# Altium PCB pcb-ash-power.PcbDoc (part 2 of 6) (continued)
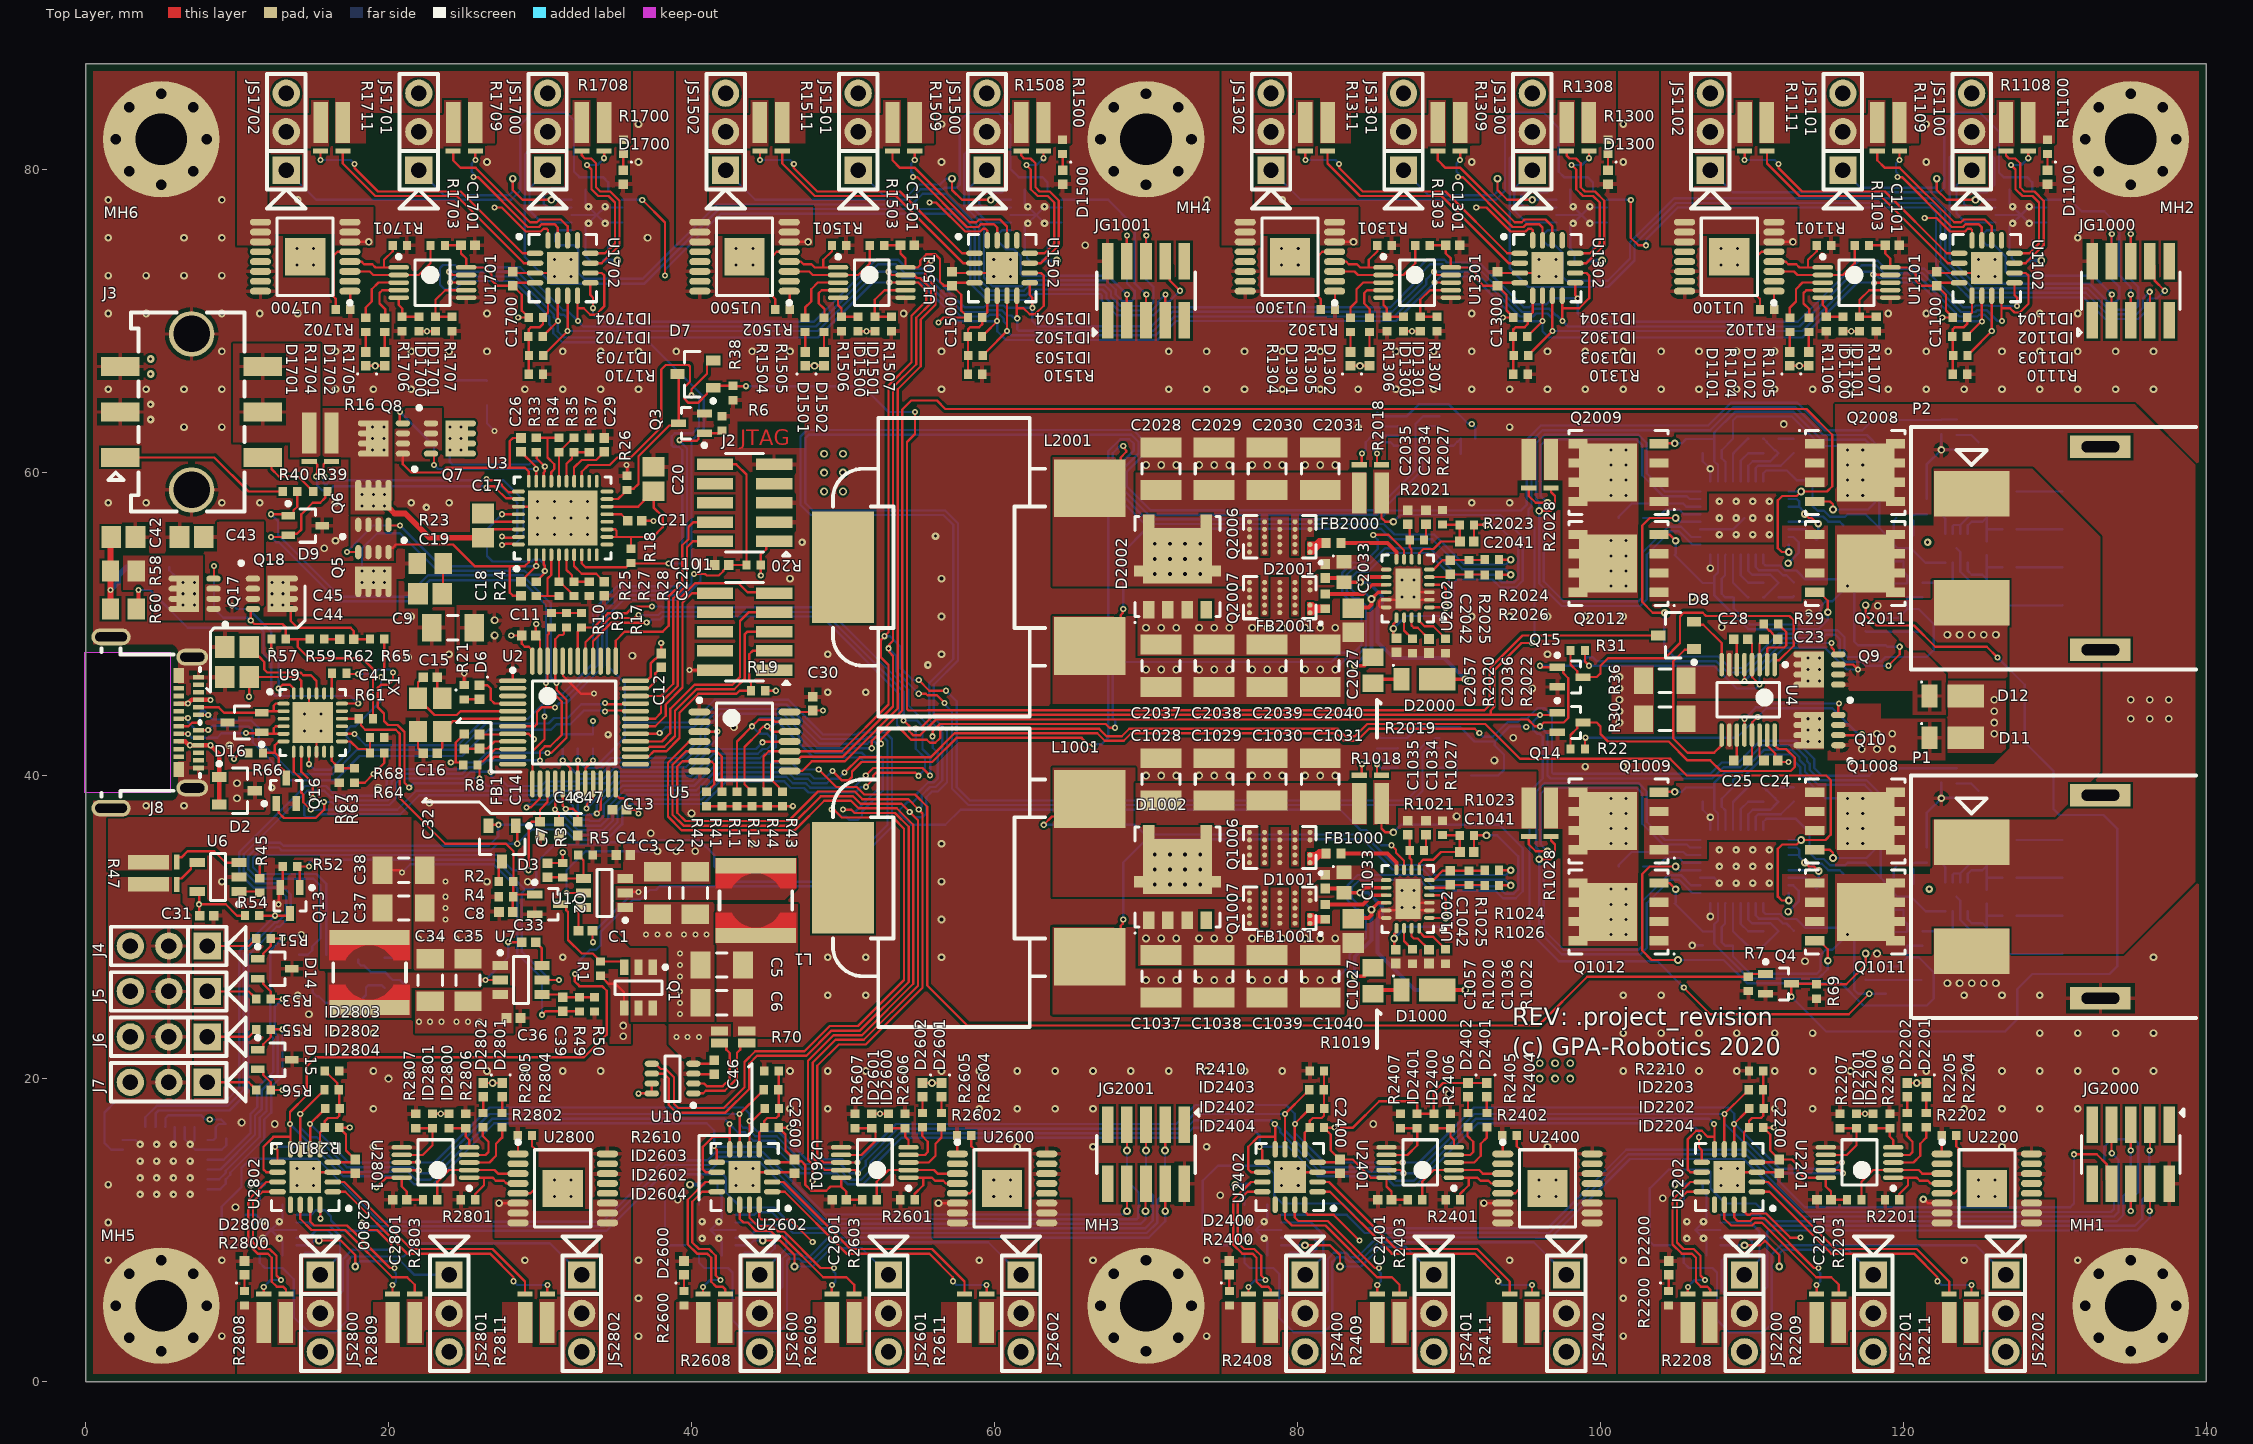
[diagram p0: Top Layer view]
## Footprints (in the part's own frame and the unit in brackets; to place one, negate y for a bottom-side part, rotate by r counter-clockwise, add the part's x,y. Pads: shape width x height; smd on the part's side, far side on the other; paste and mask are expansions set on the pad) (continued)
QFN65P400X400X100_HS-17N_INA3221 [mm] "QFN, 16-Leads, Body 4.00x4.00mm, Pitch 0.65mm, Thermal Pad 2.10x2.10mm, IPC Medium Density"
  oval 1.1x0.35 smd: 1(-1.825,0.975) 2(-1.825,0.325) 3(-1.825,-0.325) 4(-1.825,-0.975) 9(1.825,-0.975) 10(1.825,-0.325) 11(1.825,0.325) 12(1.825,0.975)
  oval 0.35x1.1 smd: 5(-0.975,-1.825) 6(-0.325,-1.825) 7(0.325,-1.825) 8(0.975,-1.825) 13(0.975,1.825) 14(0.325,1.825) 15(-0.325,1.825) 16(-0.975,1.825)
  rect 2.1x2.1 smd: 17(0,0)
  silkscreen extent -3,-2.22 2.22,2.22, body extent -2.12,-2.12 2.12,2.12, height 1
QFN65P600X600X100_HS-29N_PCA9685BS [mm] "QFN, 28-Leads, Body 6.00x6.00mm, Pitch 0.65mm, Thermal Pad 4.10x4.10mm, IPC Medium Density"
  oval 1.1x0.3 smd: 1(-2.8,1.95) 2(-2.8,1.3) 3(-2.8,0.65) 4(-2.8,0) 5(-2.8,-0.65) 6(-2.8,-1.3) 7(-2.8,-1.95) 15(2.8,-1.95) 16(2.8,-1.3) 17(2.8,-0.65) 18(2.8,0) 19(2.8,0.65) 20(2.8,1.3) 21(2.8,1.95)
  oval 0.3x1.1 smd: 8(-1.95,-2.8) 9(-1.3,-2.8) 10(-0.65,-2.8) 11(0,-2.8) 12(0.65,-2.8) 13(1.3,-2.8) 14(1.95,-2.8) 22(1.95,2.8) 23(1.3,2.8) 24(0.65,2.8) 25(0,2.8) 26(-0.65,2.8) 27(-1.3,2.8) 28(-1.95,2.8)
  rect 4.1x4.1 smd: 29(0,0)
  silkscreen extent -3.98,-3.2 3.2,3.2, body extent -3.05,-3.05 3.05,3.05, height 1
RESC1005X04N [mm] "Chip Resistor, 2-Leads, Body 1.05x0.54mm, IPC Medium Density"
  rect 0.55x0.6 smd: 1(-0.475,0) 2(0.475,0)
  body extent -0.55,-0.3 0.55,0.3, height 0.4
RESC2012X06N [mm] "Chip Resistor, 2-Leads, Body 2.00x1.25mm, IPC Medium Density"
  rect 1.15x1.4 smd: 1(-0.85,0) 2(0.85,0)
  body extent -1.07,-0.7 1.07,0.7, height 0.65
RESC2012X06N_4T [mm] "Chip Resistor, 2-Leads, Body 2.00x1.25mm, IPC Medium Density"
  rect 1.15x0.6 smd: 1(-0.9,0.4) 2(0.9,0.4) 3(-0.9,-0.4) 4(0.9,-0.4)
  body extent -1.07,-0.7 1.07,0.7, height 0.65
RESC3216X07N [mm] "Chip Resistor, 2-Leads, Body 3.20x1.60mm, IPC Medium Density"
  rect 1.25x1.75 smd: 1(-1.4,0) 2(1.4,0)
  silkscreen extent -0.4,-0.77 0.4,0.77, body extent -1.68,-0.87 1.68,0.87, height 0.71
S4B-XH-SM4-TB [mm]
  rect 1.3x4.5 smd: 1(-3.75,0) 2(-1.25,0) 3(1.25,0) 4(3.75,0)
  rect 1.8x3.9 smd: TAB(-6.95,-6.8) TAB(6.95,-6.8)
  silkscreen extent -7.5,-8.5 7.5,1.25, body extent -7.48,-8.5 7.47,1.5, height 6
SER20xx [mm]
  rect 3.81x4.7 smd: 1(-5.205,-8.96) 2(5.205,-8.96)
  rect 7.37x4.06 smd: 3(0,7.33)
  silkscreen extent -9.84,-6 9.85,8, body extent -9.84,-10.46 9.85,8.24, height 10.42
SODFL370X100-2N_DFLS2100 [mm] "SODFL, 2-Leads, Body 1.78x3.70mm, IPC Medium Density"
  rect 1.05x1.5 smd: A(-1.525,0)
  rect 2.4x1.5 smd: C(0.85,0)
  silkscreen extent -2.1,0.88 -2,0.97, body extent -1.85,-0.96 1.85,0.96, height 1
SON50P200X80_HS-9N-BQ2960XX#1 [mm] "SON, 8-Leads, Body 2.00x2.00mm, Pitch 0.50mm, Thermal Pad 1.60x0.69mm, IPC Medium Density"
  rect 0.5x0.25 smd: 1(-0.95,0.75) 2(-0.95,0.25) 3(-0.95,-0.25) 4(-0.95,-0.75) 5(0.95,-0.75) 6(0.95,-0.25) 7(0.95,0.25) 8(0.95,0.75)
  rect 0.9x1.6 smd paste-5: 9(0,0)
  silkscreen extent -1.5,-1.2 1.05,1.25, body extent -1.05,-1.05 1.05,1.05, height 0.8
SON50P200X80_HS-9N-BQ2960XX#2 [mm] "SON, 8-Leads, Body 2.00x2.00mm, Pitch 0.50mm, Thermal Pad 1.60x0.69mm, IPC Medium Density"
  rect 0.5x0.25 smd: 1(-0.95,0.75) 2(-0.95,0.25) 3(-0.95,-0.25) 4(-0.95,-0.75) 5(0.95,-0.75) 6(0.95,-0.25) 7(0.95,0.25) 8(0.95,0.75)
  rect 0.9x1.6 smd: 9(0,0)
  silkscreen extent -1.5,-1.2 1.05,1.25, body extent -1.05,-1.05 1.05,1.05, height 0.8
SON127P620X110_HS-9N_NTS12100 [mm] "SON, 8-Leads, Body 5.15x6.15mm, Pitch 1.27mm, Thermal Pad 3.98x1.50mm, IPC Medium Density"
  rect 1.15x0.75 smd: 1(-2.86,1.905) 2(-2.86,0.635) 3(-2.86,-0.635) 4(-2.86,-1.905) 5(2.86,1.905) 6(2.86,-1.905)
  rect 0.75x1.15 smd: 7(-0.3,2.3) 7(-0.3,-2.3)
  rect 3.65x4.56 smd: 7(0.7,0)
  silkscreen extent -3.75,-2.8 3.3,2.85, body extent -3.15,-2.65 3.15,2.65, height 1.1
SON127P620X112_HS-9N_POWERPAK_SO8 [mm] "SON, 8-Leads, Body 5.15x6.15mm, Pitch 1.27mm, Thermal Pad 3.98x1.50mm, IPC Medium Density"
  rect 1.27x0.61 smd: 1(-2.67,1.905) 2(-2.67,0.635) 3(-2.67,-0.635) 4(-2.67,-1.905) 5(2.67,-1.905) 6(2.67,-0.635) 7(2.67,0.635) 8(2.67,1.905)
  rect 3.81x3.81 smd: 9(0.69,0)
  silkscreen extent -3.72,-2.78 3.27,2.83, body extent -3.13,-2.63 3.13,2.63, height 1.12
SOT23_CC [mm] "SOT23, 3-Leads, Body 2.90x2.40mm, Pitch 0.90mm, IPC Medium Density"
  rect 0.95x0.65 smd: A1(-1.175,0.9) A2(-1.175,-0.9) C(1.175,0)
  silkscreen extent -1.3,-1.5 0.7,1.9, body extent -1.25,-1.5 1.25,1.5, height 1
SOT65P210X110-3N_SOT323-3L [mm] "SOT23, 3-Leads, Body 2.00x2.10mm, Pitch 0.65mm, IPC Medium Density"
  rect 0.9x0.5 smd: 1(-1.125,0.65) 2(-1.125,-0.65) 3(1.125,0)
  silkscreen extent -1.25,-1.1 0.67,1.57, body extent -1.3,-1.1 1.3,1.1, height 1.1
SOT95P280X110-6N [mm] "SOT23, 6-Leads, Body 2.90x2.80mm, Pitch 0.95mm, IPC Medium Density - TPS56120x"
  rect 1x0.6 smd: 1(-1.375,0.95) 2(-1.375,0) 3(-1.375,-0.95) 4(1.375,-0.95) 5(1.375,0) 6(1.375,0.95)
  silkscreen extent -1.5,-1.55 0.5,1.92, body extent -1.53,-1.53 1.53,1.53, height 1.1
SOT95P280X145-5N [mm] "SOT23, 5-Leads, Body 2,90x2,80mm, Pitch 0,95mm, IPC Medium Density"
  rect 1x0.6 smd: 1(-1.375,0.95) 2(-1.375,0) 3(-1.375,-0.95) 4(1.375,-0.95) 5(1.375,0.95)
  silkscreen extent -1.5,-1.55 0.5,1.92, body extent -1.47,-1.53 1.47,1.53, height 1.45
SOT95P284X110-6N_TSOP6 [mm] "SOT23, 6-Leads, Body 3.03x2.84mm, Pitch 0.95mm, IPC Medium Density"
  rect 1x0.55 smd: 1(-1.35,0.95) 2(-1.35,0) 3(-1.35,-0.95) 4(1.35,-0.95) 5(1.35,0) 6(1.35,0.95)
  silkscreen extent -1.47,-1.55 0.45,1.9, body extent -1.49,-1.55 1.49,1.55, height 1.1
SOTFL65P210X105-3N [mm] "SOTFL, 3-Leads, Body 2,00x2,10mm, Pitch 0,65mm, IPC Medium Density"
  rect 1x0.5 smd: 1(-0.85,0.65) 2(-0.85,-0.65) 3(0.85,0)
  silkscreen extent -0.97,-1.05 0.67,1.57, body extent -1.05,-1.05 1.05,1.05, height 1.05
SRR4028 [mm]
  rect 1x5.3 smd: 1(-2.3,0) 2(2.3,0)
  Top Layer region: -0.8,-2.65 -0.8,-1.6 -1.411,-1.102 -1.75,-0.391 -1.751,0.398 -1.415,1.11 -0.805,1.61 -0.8,1.6 -0.8,2.65 -2.8,2.65 -2.8,-2.65
  Top Layer region: 0.8,-2.65 0.8,-1.6 1.411,-1.102 1.75,-0.391 1.751,0.398 1.415,1.11 0.805,1.61 0.8,1.6 0.8,2.65 2.8,2.65 2.8,-2.65
  silkscreen extent -0.6,-2.39 0.6,2.4, body extent -2.4,-2.4 2.4,2.4, height 2.8
STM-LQFP48_N [mm] "QFP, 48-Leads, Body 7x7mm, Pitch 0.5mm, IPC Medium Density"
  oval 1.8x0.3 smd: 1(-4.05,2.75) 2(-4.05,2.25) 3(-4.05,1.75) 4(-4.05,1.25) 5(-4.05,0.75) 6(-4.05,0.25) 7(-4.05,-0.25) 8(-4.05,-0.75) 9(-4.05,-1.25) 10(-4.05,-1.75) 11(-4.05,-2.25) 12(-4.05,-2.75) 25(4.05,-2.75) 26(4.05,-2.25) 27(4.05,-1.75) 28(4.05,-1.25) 29(4.05,-0.75) 30(4.05,-0.25) 31(4.05,0.25) 32(4.05,0.75) 33(4.05,1.25) 34(4.05,1.75) 35(4.05,2.25) 36(4.05,2.75)
  oval 0.3x1.8 smd: 13(-2.75,-4.05) 14(-2.25,-4.05) 15(-1.75,-4.05) 16(-1.25,-4.05) 17(-0.75,-4.05) 18(-0.25,-4.05) 19(0.25,-4.05) 20(0.75,-4.05) 21(1.25,-4.05) 22(1.75,-4.05) 23(2.25,-4.05) 24(2.75,-4.05) 37(2.75,4.05) 38(2.25,4.05) 39(1.75,4.05) 40(1.25,4.05) 41(0.75,4.05) 42(0.25,4.05) 43(-0.25,4.05) 44(-0.75,4.05) 45(-1.25,4.05) 46(-1.75,4.05) 47(-2.25,4.05) 48(-2.75,4.05)
  silkscreen extent -4.17,-2.75 2.75,3.57, body extent -3.5,-3.5 3.5,3.5, height 1.6
TSOP65P280X145-8N [mm] "TSOP, 8-Leads, Body 2.90x1.60mm, Pitch 0.65mm, IPC Medium Density"
  oval 0.95x0.4 smd: 1(-1.375,0.975) 2(-1.375,0.325) 3(-1.375,-0.325) 4(-1.375,-0.975) 5(1.375,-0.975) 6(1.375,-0.325) 7(1.375,0.325) 8(1.375,0.975)
  silkscreen extent -1.5,-1.5 0.5,1.9, body extent -1.39,-1.5 1.39,1.5, height 1.45
TSOP65P640X120-14N_PCA9543A [mm] "TSOP, 14-Leads, Body 5.00x4.40mm, Pitch 0.65mm, IPC Medium Density"
  oval 1.45x0.45 smd: 1(-2.975,1.95) 2(-2.975,1.3) 3(-2.975,0.65) 4(-2.975,0) 5(-2.975,-0.65) 6(-2.975,-1.3) 7(-2.975,-1.95) 8(2.975,-1.95) 9(2.975,-1.3) 10(2.975,-0.65) 11(2.975,0) 12(2.975,0.65) 13(2.975,1.3) 14(2.975,1.95)
  silkscreen extent -3.1,-2.55 1.85,2.85, body extent -3.22,-2.55 3.22,2.55, height 1.2
TSOP65P640X120_HS-17N_TPS1HB08 [mm] "TSOP, 16-Leads, Body 5.00x4.40mm, Pitch 0.65mm, Thermal Pad 2.46x2.66mm, IPC Medium Density"
  oval 1.4x0.45 smd: 1(-2.95,2.275) 2(-2.95,1.625) 3(-2.95,0.975) 4(-2.95,0.325) 5(-2.95,-0.325) 6(-2.95,-0.975) 7(-2.95,-1.625) 8(-2.95,-2.275) 9(2.95,-2.275) 10(2.95,-1.625) 11(2.95,-0.975) 12(2.95,-0.325) 13(2.95,0.325) 14(2.95,0.975) 15(2.95,1.625) 16(2.95,2.275)
  rect 2.66x2.46 smd: 17(0,0)
  silkscreen extent -3.08,-2.55 1.85,3.17, body extent -3.2,-2.55 3.2,2.55, height 1.2
TSSOP50P490X110-10N_PCA9633DP2 [mm] "TSSOP, 10-Leads, Body 2.95x3.00mm, Pitch 0.50mm, IPC Medium Density"
  oval 1.35x0.3 smd: 1(-2.225,1) 2(-2.225,0.5) 3(-2.225,0) 4(-2.225,-0.5) 5(-2.225,-1) 6(2.225,-1) 7(2.225,-0.5) 8(2.225,0) 9(2.225,0.5) 10(2.225,1)
  silkscreen extent -2.35,-1.5 1.15,1.82, body extent -2.45,-1.5 2.45,1.5, height 1.1
TSSOP50P510X110-16N_ltc4421 [mm] "TSSOP, 16-Leads, Body 4.04x3.00mm, Pitch 0.50mm, IPC Medium Density"
  oval 1.55x0.3 smd: 1(-2.325,1.75) 2(-2.325,1.25) 3(-2.325,0.75) 4(-2.325,0.25) 5(-2.325,-0.25) 6(-2.325,-0.75) 7(-2.325,-1.25) 8(-2.325,-1.75) 9(2.325,-1.75) 10(2.325,-1.25) 11(2.325,-0.75) 12(2.325,-0.25) 13(2.325,0.25) 14(2.325,0.75) 15(2.325,1.25) 16(2.325,1.75)
  silkscreen extent -2.45,-2.08 1.15,2.58, body extent -2.54,-2.05 2.54,2.05, height 1.1
XT60PT-M [mm]
  rect 3x5 smd: 1(3.6,8.5) 2(-3.6,8.5)
  rect 1.5x4 hole 0.75 slot 2.5 at 90 deg: TAB(-6.7,0) TAB(6.7,0)
  silkscreen extent -8,-6.3 8,12.5, body extent -8,-9.2 8,12.5, height 8.45

## Part data
C1 C4 C7 C8 C9 C10 C11 C12 C13 C14 C15 C16 C17 C18 C19 C20 C21 C22 C23 C24 C25 C26 C27 C28 C29 C30 C31 C32 C33 C36 C39 C40 C41 C43 C44 C45 C46 C47 C48 C1026 C1027 C1033 C1034 C1035 C1036 C1041 C1042 C1043 C1044 C1045 C1046 C1047 C1048 C1049 C1050 C1051 C1052 C1054 C1055 C1056 C1057 C1100 C1101 C1102 C1300 C1301 C1302 C1500 C1501 C1502 C1700 C1701 C1702 C2026 C2027 C2033 C2034 C2035 C2036 C2041 C2042 C2043 C2044 C2045 C2046 C2047 C2048 C2049 C2050 C2051 C2052 C2054 C2055 C2056 C2057 C2200 C2201 C2202 C2400 C2401 C2402 C2600 C2601 C2602 C2800 C2801 C2802: "Capacitor"
C2 C3 C5 C6 C34 C35 C37 C38 C1028 C1029 C1030 C1031 C1037 C1038 C1039 C1040 C2028 C2029 C2030 C2031 C2037 C2038 C2039 C2040: "Capacitor", Voltage=25V
  C2 C3 C5 C6 C34 C35 C37 C38: type=X5R
  C1028 C1029 C1030 C1031 C1037 C1038 C1039 C1040 C2028 C2029 C2030 C2031 C2037 C2038 C2039 C2040: type=X7R
C42: "Capacitor", Voltage=35V, type=X5R
D2 D3 D7 D8 D13 D1003 D2003: library part diode_dual_cc, "Diode Common Cathode"
D6 D1100 D1101 D1102 D1300 D1301 D1302 D1500 D1501 D1502 D1700 D1701 D1702 D2200 D2201 D2202 D2400 D2401 D2402 D2600 D2601 D2602 D2800 D2801 D2802: "LED"
D9 D14 D15 D16: library part esda25w, "TRANSIL array for data protection", ComponentLink1Description=datasheet, ComponentLink1URL=https://www.st.com/content/ccc/resource/technical/document/datasheet/cd/9b/8d/39/1f/d4/43/ba/CD00064033.pdf/files/CD00064033.pdf/jcr:content/translations/en.CD00064033.pdf
D11 D12 D17 D1000 D2000: library part dfls2100, "2.0A HIGH VOLTAGE SCHOTTKY BARRIER RECTIFIER", ComponentLink1Description=datasheet, ComponentLink1URL=https://www.diodes.com/assets/Datasheets/ds31475.pdf
D1001 D2001: "Diode"
D1002 D2002: library part nts12100emfs, "Very Low LeakageTrench-based SchottkyRectifier", ComponentLink1Description=datasheet, ComponentLink1URL=https://www.onsemi.com/pub/Collateral/NTS12100EMFS-D.PDF
FB1 FB1000 FB1001 FB2000 FB2001: "Inductor"
ID1100 ID1101 ID1102 ID1103 ID1104 ID1300 ID1301 ID1302 ID1303 ID1304 ID1500 ID1501 ID1502 ID1503 ID1504 ID1700 ID1701 ID1702 ID1703 ID1704 ID2200 ID2201 ID2202 ID2203 ID2204 ID2400 ID2401 ID2402 ID2403 ID2404 ID2600 ID2601 ID2602 ID2603 ID2604 ID2800 ID2801 ID2802 ID2803 ID2804 R1 R2 R3 R4 R5 R6 R7 R8 R9 R10 R11 R12 R13 R14 R15 R16 R17 R18 R19 R20 R21 R22 R23 R24 R25 R26 R27 R28 R29 R30 R31 R32 R33 R34 R35 R36 R37 R38 R39 R40 R41 R42 R43 R44 R45 R46 R47 R48 R49 R50 R51 R52 R53 R54 R55 R56 R57 R58 R59 R60 R61 R62 R63 R64 R65 R66 R67 R68 R69 R70 R71 R72 R73 R74 R1000 R1001 R1018 R1019 R1020 R1021 R1022 R1023 R1024 R1025 R1026 R1027 R1028 R1029 R1030 R1031 R1032 R1033 R1034 R1035 R1036 R1037 R1038 R1039 R1040 R1041 R1042 R1045 R1046 R1047 R1048 R1050 R1100 R1101 R1102 R1103 R1104 R1105 R1106 R1107 R1108 R1109 R1110 R1111 R1300 R1301 R1302 R1303 R1304 R1305 R1306 R1307 R1308 R1309 R1310 R1311 R1500 R1501 R1502 R1503 R1504 R1505 R1506 R1507 R1508 R1509 R1510 R1511 R1700 R1701 R1702 R1703 R1704 R1705 R1706 R1707 R1708 R1709 R1710 R1711 R2000 R2001 R2018 R2019 R2020 R2021 R2022 R2023 R2024 R2025 R2026 R2027 R2028 R2029 R2030 R2031 R2032 R2033 R2034 R2035 R2036 R2037 R2038 R2039 R2040 R2041 R2042 R2045 R2046 R2047 R2048 R2050 R2200 R2201 R2202 R2203 R2204 R2205 R2206 R2207 R2208 R2209 R2210 R2211 R2400 R2401 R2402 R2403 R2404 R2405 R2406 R2407 R2408 R2409 R2410 R2411 R2600 R2601 R2602 R2603 R2604 R2605 R2606 R2607 R2608 R2609 R2610 R2611 R2800 R2801 R2802 R2803 R2804 R2805 R2806 R2807 R2808 R2809 R2810 R2811: "Resistor"
J1 JG1000 JG1001 JG2000 JG2001: library part hdr_2x5, "2x5 Header"
J2: library part hdr_swd, "SWD Header"
J3: "Micro-Fit 3.0 Vertical Header, 3.00mm Pitch, Dual Row, 6 Circuits, with PCB Press-fit Metal Retention Clip, Gold, Glow-Wire Capable, Black", ComponentLink1Description=drawing, ComponentLink1URL=https://www.molex.com/pdm_docs/sd/430450617_sd.pdf
J4 J5 J6 J7 JS1100 JS1101 JS1102 JS1300 JS1301 JS1302 JS1500 JS1501 JS1502 JS1700 JS1701 JS1702 JS2200 JS2201 JS2202 JS2400 JS2401 JS2402 JS2600 JS2601 JS2602 JS2800 JS2801 JS2802: library part header_1x3_100mil, "2.54mm pitch single row header"
J8: "USB TYPE C REC MIDDLE MOUNT TYPE", ComponentLink1Description=drawing, ComponentLink1URL=https://www.molex.com/pdm_docs/sd/1054550101_sd.pdf
J1000 J2000: library part s4b-xh-sm4-tb, "2.5mm pitch/Disconnectable Crimp style connectors", ComponentLink1Description=datasheet, ComponentLink1URL=http://www.jst-mfg.com/product/pdf/eng/eXH.pdf
L1 L2: library part srr4028, ComponentLink1Description=series, ComponentLink1URL=https://www.bourns.com/docs/Product-Datasheets/SRR4028.pdf
L1001 L2001: library part ser20xx, "Shielded Power Inductor", ComponentLink1Description=specs, ComponentLink1URL=https://www.coilcraft.com/pdfs/ser2000.pdf
MH1 MH2 MH3 MH4 MH5 MH6: library part mounting_hole, "Mounting hole"
P1 P2: library part xt60pt-m
Q1 Q11: library part si3493ddv, "P-Channel 20 V (D-S) MOSFET", ComponentLink1Description=datasheet, ComponentLink1URL=http://www.vishay.com/docs/62839/si7149adp.pdf
Q2 Q3 Q4 Q12 Q13 Q14 Q15 Q16 Q1010 Q2010: library part ru1j002yn, "N-channel 50V 200mA Small signal MOSFET", ComponentLink1Description=datasheet, ComponentLink1URL=https://www.mouser.se/datasheet/2/348/ru1j002yn-e-1018335.pdf
Q5 Q6 Q7 Q8 Q9 Q10: library part irfh3702, "HEXFET Power MOSFET", ComponentLink1Description=datasheet, ComponentLink1URL=https://www.infineon.com/dgdl/irfh3702pbf.pdf?fileId=5546d462533600a40153561a25871e76
Q17 Q18: library part irfhm9331, "HEXFET Power MOSFET", ComponentLink1Description=datasheet, ComponentLink1URL=https://www.infineon.com/dgdl/irfhm9331pbf.pdf?fileId=5546d462533600a4015356237f7e1f59
Q1006 Q1007 Q2006 Q2007: library part epc2030, "GaN Enhancement Mode Power Transistor", ComponentLink1Description=datasheet, ComponentLink1URL=https://epc-co.com/epc/Portals/0/epc/documents/datasheets/EPC2030_datasheet.pdf
Q1008 Q1009 Q1011 Q1012 Q2008 Q2009 Q2011 Q2012: library part sir158dp, "N-Channel 30 V (D-S) MOSFET", ComponentLink1Description=datasheet, ComponentLink1URL=https://www.vishay.com/docs/64730/sir158dp.pdf
U1 U7: "4.5-V to 17-V Input, 1-A Synchronous  Step-Down  Voltage  Regulator  in 6-Pin  SOT-23"
U2: "ARM Cortex-M3 32-bit MCU, 64 KB Flash, 20 KB Internal RAM, 37 I/Os, 48-pin LQFP, -40 to 85 degC, Tray", I/Os (High Current)=37, Operating Frequency(F) (Processor speed) (MHz)=72, Supplier Part Number 1=497-6063-ND, Supply Voltage(Vcc) min (V)=2, A/D Converter="2x12-bit (10 Channel)", ComponentLink1Description="Manufacturer URL", ComponentLink1URL=http://www.st.com/web/en/home.html, ComponentLink2Description=Datasheet, ComponentLink2URL=http://www.st.com/st-web-ui/static/active/en/resource/technical/document/datasheet/CD00161566.pdf, ComponentLink3Description="Package Specification", ComponentLink3URL=http://www.st.com/st-web-ui/static/active/en/resource/technical/document/datasheet/DM00058181.pdf, Core="ARM Cortex-M3", DatasheetVersion="Rev. 16", FLASH Size (Prog) (kB)=64, Internal RAM Size (kB)=20, Mounting Technology="Surface Mount", PackageDescription="48-Pin Low Profile Quad Flat Package, 7 x 7 mm Body, 0.5 mm Pitch", PackageReference=LQFP48, PackageVersion="Rev. 6, 06/2013", Packing=Tray, PartNumber=STM32F103C8T6, Supplier 1=Digi-Key, Supplier 2=Farnell, Supplier 3=Newark, Supplier 4=Newark, Supplier 5=Mouser, Supplier Part Number 2=1447637, Supplier Part Number 3=59M2182, Supplier Part Number 4=57P1222, Supplier Part Number 5=511-STM32F103C8T6
U3 U1004 U2004: "High Power Prioritized PowerPath Controller", ComponentLink1Description=datasheet, ComponentLink1URL=https://www.analog.com/media/en/technical-documentation/data-sheets/LTC4421.pdf
U4: library part ltc4370xms, "Two-Supply Diode-OR Current Balancing Controller", ComponentLink1Description=datasheet, ComponentLink1URL=https://www.analog.com/media/en/technical-documentation/data-sheets/4370f.pdf
U5: "Low Voltage 2-Channel I2C Bus Switch With Interrupt Logic And Reset", Address=0x70, ComponentLink1Description=datasheet, ComponentLink1URL=http://www.ti.com/lit/ds/symlink/tca9543a.pdf
U6: library part ina180a1, "Low- and High-Side Voltage Output, Current-Sense Amplifiers", Supplier Part Number 1=296-47652-1-ND, Datasheet=http://www.ti.com/lit/ds/symlink/ina180.pdf, Supplier 1=Digi-Key
U8: "16-channel, 12-bit PWM Fm+ I2C-bus LED controller", Address=0x48, ComponentLink1Description=datasheet, ComponentLink1URL=https://www.nxp.com/docs/en/data-sheet/PCA9685.pdf
U9: library part stusb4500qtr, "Standalone USB PD sink controller with short-to-VBUS protections", Address=0x28, ComponentLink1Description=datasheet, ComponentLink1URL=https://www.st.com/resource/en/datasheet/stusb4500.pdf
U10 U1000 U2000: "INA219 Zero-Drift, Bidirectional Current/Power Monitor With I2C Interface", Supplier Part Number 1=296-23770-1-ND, ComponentLink1Description=Datasheet, ComponentLink1URL=https://www.ti.com/lit/ds/symlink/ina219.pdf?&ts=1589650364826, Supplier 1=Digi-Key
  U10: Address=0x8A
  U1000 U2000: Address=0x80
U1002 U2002: "Low IQ, 60V, High Frequency Synchronous Step-Down Controller", ComponentLink1Description=datasheet, ComponentLink1URL=https://www.analog.com/media/en/technical-documentation/data-sheets/7800f.pdf
U1003 U2003: "BQ296xxx Overvoltage Protection for 2-Series, 3-Series, and 4-Series Cell Li-Ion Batteries with Regulated Output Supply", ComponentLink1Description=datasheet, ComponentLink1URL=http://www.ti.com/lit/ds/symlink/bq2962.pdf
U1100 U1300 U1500 U1700 U2200 U2400 U2600 U2800: library part tps1hb08a, "40-V, 8-mΩ Single-Channel Smart High-Side Switch", ComponentLink1Description=datasheet, ComponentLink1URL=http://www.ti.com/lit/ds/symlink/tps1hb08-q1.pdf
U1101 U1301 U1501 U1701 U2201 U2401 U2601 U2801: "4-bit Fm+ I2C-bus LED driver", Address=0x60, ComponentLink1Description=datasheet, ComponentLink1URL=https://www.nxp.com/docs/en/data-sheet/PCA9633.pdf?
U1102 U1302 U1502 U1702 U2202 U2402 U2602 U2802: "Triple-Channel, High-Side Measurement. Shunt and Bus Voltage Monitor with I 2 C- and SMBUS-Compatible Interface", ComponentLink1Description=datasheet, ComponentLink1URL=http://www.ti.com/lit/ds/sbos576b/sbos576b.pdf
U1103 U1303 U1503 U1703 U2203 U2403 U2603 U2803: library part sn74lv4t125a, "Quadruple Bus Buffer Gates With 3-State Outputs", Supplier Part Number 1=296-40546-1-ND, ComponentLink1Description=Datasheet, ComponentLink1URL=http://www.ti.com/lit/ds/symlink/sn74lv125a.pdf, Supplier 1=Digi-Key
X1: library part crystal, "Crystal With Shield", freq=25MHz

## Via types
v1: diameter 0.5, hole 0.25, Top Layer to Bottom Layer, tented both sides, 250 vias
v2: diameter 0.406, hole 0.203, Top Layer to Bottom Layer, 244 vias
v3: diameter 0.5, hole 0.2, Top Layer to Bottom Layer, 202 vias
v4: diameter 0.508, hole 0.3, Top Layer to Bottom Layer, 155 vias
v5: diameter 0.4, hole 0.2, Top Layer to Bottom Layer, tented both sides, 103 vias
v6: diameter 0.508, hole 0.254, Top Layer to Bottom Layer, tented both sides, 82 vias
v7: diameter 1.27, hole 0.7, Top Layer to Bottom Layer, 48 vias
v8: diameter 0.4, hole 0.2, Top Layer to Bottom Layer, 47 vias
v9: diameter 0.5, hole 0.254, Top Layer to Bottom Layer, 24 vias
v10: diameter 0.508, hole 0.254, Top Layer to Bottom Layer, 19 vias
v11: diameter 0.508, hole 0.2, Top Layer to Bottom Layer, 17 vias
v12: diameter 0.406, hole 0.203, Top Layer to Bottom Layer, tented both sides, 10 vias
v13: diameter 0.508, hole 0.2, Top Layer to Bottom Layer, tented both sides, 4 vias

## Nets (pads, with @x,y where several pads share a name; then routed paths per layer and width w, separated by ;. In a path a pad name is that pad's centre, name@x,y a point inside that pad or via, vN(x,y) a via of type N, cw(c..) or ccw(c..) an arc to the next point about the centre after c; other vN are vias at no path point)
\BATTERY_LOW: J1.5 U2.27 | length 15.1
  Top Layer w0.152: U2.27@36.3,41.75 37.085,41.75 37.235,41.9 38.2,41.9 38.905,42.605 38.905,44.274 40.326,45.695 42.826,45.695 43.505,46.374 43.505,49.305 43.7,49.5 J1.5@45.45,49.5
\EXT_SHDN: D7.C Q3.3 R26.2 U3.17 | length 11.2
  Top Layer w0.152: U3.17@34.425,58.25 35.15,58.25 35.526,58.626 35.526,58.651 35.814,58.939 36.189,58.939 36.5,59.25 36.5,61.073 38.529,63.102 39.002,63.102 Q3.3@39.15,63.25 39.15,66.425 D7.C@39.075,66.5
\EYES_ENABLE: Q13.3 R54.1 U8.20 | length 27.4
  Top Layer w0.152: R54.1@11.475,30.75 v2(12.5,30.75) 13.35,30.75 Q13.3@13.5,30.9
  Bottom Layer w0.152: U8.20@2.45,15.3 1.7,15.3 1.25,15.75 1.25,17.75 2,18.5 9.25,18.5 10.14,19.39 10.14,28.39 v2(12.5,30.75)
\I2C_INT: R8.1 R65.2 U2.10 U5.11 | length 43.6
  Top Layer w0.152: R65.2@17.225,46.75 17.275,46.7 v2(18,46.7) ; v2(20.3,46.8) 20.3,46.3 20,46 19.5,46 19.28,45.78 19.28,44.52 19.7,44.1 19.7,43.6 19.967,43.333 20.598,43.333 21.055,42.876 21.055,39.519 21.365,39.208 v2(21.365,39.201) ; v2(26.015,39.804) 26,39.819 26,40.6 25.875,40.725 26.074,40.924 26.224,40.924 27.05,41.75 U2.10@28.2,41.75 ; v2(44.695,42.195) 44.722,42.222 46.447,42.222 U5.11@46.475,42.25
  Bottom Layer w0.152: v2(18,46.7) 18.992,46.7 19.292,47 20.084,47 20.284,46.8 v2(20.3,46.8) ; v2(21.365,39.201) 21.665,39.5 25.1,39.5 25.419,39.819 26,39.819 v2(26.015,39.804) 26.514,39.305 27.44,39.305 27.745,39 30.198,39 30.503,39.305 32.536,39.305 32.721,39.49 34.311,39.49 35.071,40.25 39.75,40.25 41.25,41.75 44.25,41.75 v2(44.695,42.195)
\INT_L: U5.8 U1102.9 U1302.9 U1502.9 U1702.9 | length 153.6
  Top Layer w0.152: U1702.9@33.325,72.525 33.325,71.716 33.5,71.541 v2(33.5,70.85) ; U5.8@46.475,40.3 46.481,40.306 47.306,40.306 47.945,40.945 50.126,40.945 53.61,44.429 53.61,65.497 55.135,67.022 55.135,70.099 56.11,71.074 56.11,72.253 55.431,72.931 55.431,73.681 55.75,74 55.79,73.96 v2(55.801,73.96) ; U1502.9@62.325,72.525 62.325,71.716 62.5,71.541 v2(62.5,70.875) ; U1302.9@98.325,72.525 98.325,71.716 98.5,71.541 v2(98.5,71.5) ; U1102.9@127.325,72.525 127.325,71.716 127.5,71.541 v2(127.5,71)
  Bottom Layer w0.152: v2(33.5,70.85) 33.5,70.45 34,69.95 48.088,69.95 52.193,74.055 53.626,74.055 54.227,73.454 55.801,73.454 ; v2(55.801,73.96) 55.801,73.454 ; v2(127.5,71) 125.633,71 125.605,71.028 124.745,71.028 124.621,70.904 123.929,70.904 121.379,73.454 119.046,73.454 119,73.5 118.792,73.5 118.305,73.987 117.056,73.987 113.019,69.95 99.05,69.95 98.5,70.5 v2(98.5,71.5) 96.82,71.5 96.43,71.11 95.497,71.11 95.292,70.904 94.942,70.904 91.987,73.86 89.876,73.86 89.681,74.055 88.555,74.055 87.89,73.39 87.89,72.674 86.131,70.914 71.621,70.914 70.371,69.664 62.836,69.664 62.5,70 v2(62.5,70.875) 60.758,70.875 60.605,71.028 59.416,71.028 59.292,70.904 58.019,70.904 57.962,70.961 55.801,73.122 55.801,73.454
\INT_R: U5.4 U2202.9 U2402.9 U2602.9 U2802.9 | length 162.7
  Top Layer w0.152: v2(12.5,15.5) 12.5,15.459 12.675,15.284 U2802.9@12.675,14.475 ; U5.4@40.525,42.25 40.468,42.193 39.793,42.193 38.445,40.845 38.445,37.293 39.348,36.39 46.653,36.39 46.662,36.4 46.831,36.4 48.767,38.336 50.525,38.336 51.025,37.836 53.552,37.836 54.64,36.747 54.64,26.253 51.247,22.86 49.374,22.86 47.695,21.181 47.695,14.624 48,14.319 v2(48,13.25) ; v2(41.486,15.557) 41.5,15.543 41.5,15.459 41.675,15.284 U2602.9@41.675,14.475 ; v2(77.5,15.5) 77.5,15.459 77.675,15.284 U2402.9@77.675,14.475 ; v2(106.5,16.125) 106.5,15.459 106.675,15.284 U2202.9@106.675,14.475
  Bottom Layer w0.152: v2(12.5,15.5) 14.569,15.5 14.624,15.445 15.097,15.445 16.996,13.546 20.954,13.546 21,13.5 21.208,13.5 21.695,13.013 22.944,13.013 26.981,17.05 41,17.05 41.5,16.55 41.5,15.572 v2(41.486,15.557) ; v2@41.5,15.5 45.457,15.5 47.207,13.75 48,13.75 ; v2(48,13.25) 48,13.75 ; v2(106.5,16.125) 106.5,16.5 105.95,17.05 91.912,17.05 87.807,12.945 86.374,12.945 85.773,13.546 81.342,13.546 79.388,15.5 v2(77.5,15.5) 77.5,16.25 76.805,16.945 74.195,16.945 74,16.75 73.112,16.75 72.448,16.086 53.869,16.086 52.11,14.326 52.11,13.818 51.305,13.013 50.326,13.013 49.589,13.75 48,13.75
\L_FLT: R14.1 U2.19 U1004.11 U1004.18 | length 105.2
  Top Layer w0.152: U2.19@32.5,39.45 v2(32.5,41) ; v2(52.5,42.1) 52.503,42.103 52.503,42.403 53.2,43.1 53.758,43.1 54.495,42.363 55.534,42.363 55.738,42.159 56.096,42.159 56.418,42.482 56.418,42.918 56.595,43.095 66.905,43.095 67.4,42.6 68.4,42.6 68.895,43.095 82.678,43.095 83.173,42.6 83.8,42.6 84.6,43.4 92.4,43.4 94.7,41.1 104.6,41.1 105.7,40 114.9,40 115.2,39.7 115.2,36.1 114.845,35.745 v6(113.245,35.745) 112.955,35.455 112,35.455 111.71,35.165 111.71,32.01 111.97,31.75 v6(112.425,31.75)
  Bottom Layer w0.152: R14.1@32.5,41.775 v2(32.5,41) 33,40.5 34.028,40.5 34.692,41.164 39.333,41.164 40.595,42.426 40.595,43.195 41.79,44.39 46.147,44.39 48.433,42.105 51.594,42.105 51.721,42.232 52.079,42.232 52.202,42.108 52.492,42.108 v2(52.5,42.1) ; v6(112.425,31.75) U1004.18@112.425,32.25 ; U1004.11@112.425,35.75 112.43,35.745 v6(113.245,35.745)
\LEG_WARN: R15.1 U2.20 U1102.8 U1102.10 U1302.8 U1302.10 U1502.8 U1502.10 U1702.8 U1702.10 U2202.8 U2202.10 U2402.8 U2402.10 U2602.8 U2602.10 U2802.8 U2802.10 | length 411
  Top Layer w0.152: U2802.10@12.675,13.825 11.925,13.825 11.75,14 11.75,15.5 12.4,16.15 13.525,16.15 ; U2802.8@13.525,15.325 13.525,16.15 ; v2(32.3,26.9) 32.3,26.4 32.6,26.1 34.1,26.1 34.4,25.8 34.4,22.9 32.9,21.4 15.2,21.4 14.6,20.8 14.6,18.9 13.5,17.8 v2(13.5,17) 13.525,16.975 13.525,16.15 ; U1702.8@32.475,71.675 32.475,70.85 ; v2(32.5,70) 32.475,70.025 32.475,70.85 ; U2.20@33,39.45 33,40.5 v2(33.5,41) ; U1702.10@33.325,73.175 34.075,73.175 34.25,73 34.25,70.989 33.679,70.418 33.321,70.418 32.889,70.85 32.475,70.85 ; U2602.10@41.675,13.825 40.925,13.825 40.75,14 40.75,15.5 41.4,16.15 42.525,16.15 ; v2(42.5,17) 42.525,16.975 42.525,16.15 ; U2602.8@42.525,15.325 42.525,16.15 ; U1502.8@61.475,71.675 61.475,70.85 ; v2(61.5,70.182) 61.475,70.207 61.475,70.85 ; U1502.10@62.325,73.175 63.075,73.175 63.25,73 63.25,71.014 62.679,70.443 62.321,70.443 61.914,70.85 61.475,70.85 ; U2402.10@77.675,13.825 76.925,13.825 76.75,14 76.75,15.5 77.4,16.15 78.525,16.15 ; v2(78.5,17) 78.525,16.975 78.525,16.15 ; U2402.8@78.525,15.325 78.525,16.15 ; U1302.8@97.475,71.675 97.475,70.85 ; v2(97.5,70) 97.475,70.025 97.475,70.85 ; U1302.10@98.325,73.175 99.075,73.175 99.25,73 99.25,71.5 98.6,70.85 97.475,70.85 ; U2202.10@106.675,13.825 105.925,13.825 105.75,14 105.75,15.986 106.321,16.557 106.679,16.557 107.086,16.15 107.525,16.15 ; v2(107.5,17) 107.525,16.975 107.525,16.15 ; U2202.8@107.525,15.325 107.525,16.15 ; U1102.8@126.475,71.675 126.475,70.85 ; v2(126.5,70) 126.475,70.025 126.475,70.85 ; U1102.10@127.325,73.175 128.075,73.175 128.25,73 128.25,71.139 127.679,70.568 127.321,70.568 127.039,70.85 126.475,70.85
  Bottom Layer w0.152: v2(13.5,17) 14.75,15.75 15.223,15.75 17.122,13.85 21.289,13.85 21.821,13.318 22.749,13.318 23.431,14 23.5,14 26.855,17.355 42.145,17.355 v2(42.5,17) 43.049,16.451 43.522,16.451 44.082,15.89 45.497,15.89 47.333,14.055 49.715,14.055 50.452,13.318 51.179,13.318 51.805,13.944 51.805,14.453 53.743,16.39 72.321,16.39 73.181,17.25 78.25,17.25 v2(78.5,17) 78.87,16.63 78.87,16.449 81.469,13.85 85.9,13.85 86.5,13.25 87.681,13.25 91.786,17.355 107.145,17.355 v2(107.5,17) ; v2(32.3,26.9) 32.6,27.2 32.6,27.8 33.3,28.5 33.7,28.5 34,28.8 34,29.669 36.131,31.8 36.6,31.8 37.25,32.45 37.65,32.45 37.895,32.695 48.695,32.695 49.126,32.695 49.307,32.695 53.237,36.624 53.237,36.806 53.237,37.237 53.237,42.405 52.8,42.841 51.035,42.841 50.908,42.714 48.686,42.714 46.4,45 41.538,45 40.038,43.5 35.6,43.5 ; R15.1@33.5,41.775 v2(33.5,41) 33.521,41 33.716,40.805 33.901,40.805 35.6,42.503 35.6,43.5 ; v2(61.5,70.182) v2@61.5,70.055 ; v2(126.5,70) 126.496,70.004 126.198,70.004 125.479,70.723 124.871,70.723 124.747,70.6 123.802,70.6 121.253,73.15 118.711,73.15 118.179,73.682 117.251,73.682 116.569,73 116.5,73 113.145,69.645 97.855,69.645 v2(97.5,70) 97.13,70.37 97.061,70.37 96.626,70.805 95.624,70.805 95.419,70.6 94.816,70.6 91.861,73.555 89.75,73.555 89.555,73.75 88.75,73.75 88.195,73.195 88.195,72.547 86.257,70.61 71.747,70.61 70.497,69.36 61.589,69.36 61.5,69.449 v2@61.5,70.055 ; 35.6,43.5 35.6,46.1 34.414,47.286 34.414,50.514 35.49,51.59 39.353,51.59 40.6,52.838 40.6,53.5 40.3,53.8 40.1,53.8 40.005,53.895 40.005,62.1 40.805,62.9 40.805,64.995 37.193,68.607 31.462,68.607 30.87,69.199 30.87,69.53 30.6,69.8 30.6,70.3 28.26,72.64 24.789,72.64 24.7,72.551 24.7,72.4 24.4,72.1 23.7,72.1 23.4,72.4 23.4,73.5 23.6,73.7 24.4,73.7 24.545,73.555 28.695,73.555 31.535,70.715 31.785,70.715 v2(32.5,70) 32.855,69.645 48.214,69.645 52.319,73.75 53.5,73.75 54.1,73.15 55.343,73.15 57.893,70.6 59.419,70.6 59.542,70.723 60.479,70.723 60.832,70.37 61.13,70.37 61.445,70.055 v2@61.5,70.055
\MASTER_FAULT: J1.3 R19.1 U2.26 | length 14.6
  Top Layer w0.152: U2.26@36.3,41.25 36.328,41.278 37.178,41.278 37.495,41.595 38.326,41.595 39.21,42.479 39.21,44.147 40.453,45.39 42.953,45.39 43.162,45.6 R19.1@43.925,45.6 43.925,46.132 43.81,46.247 43.81,48.01 44.03,48.23 J1.3@45.45,48.23